# KiCad board iMX6_BareBones.kicad_pcb (continued)
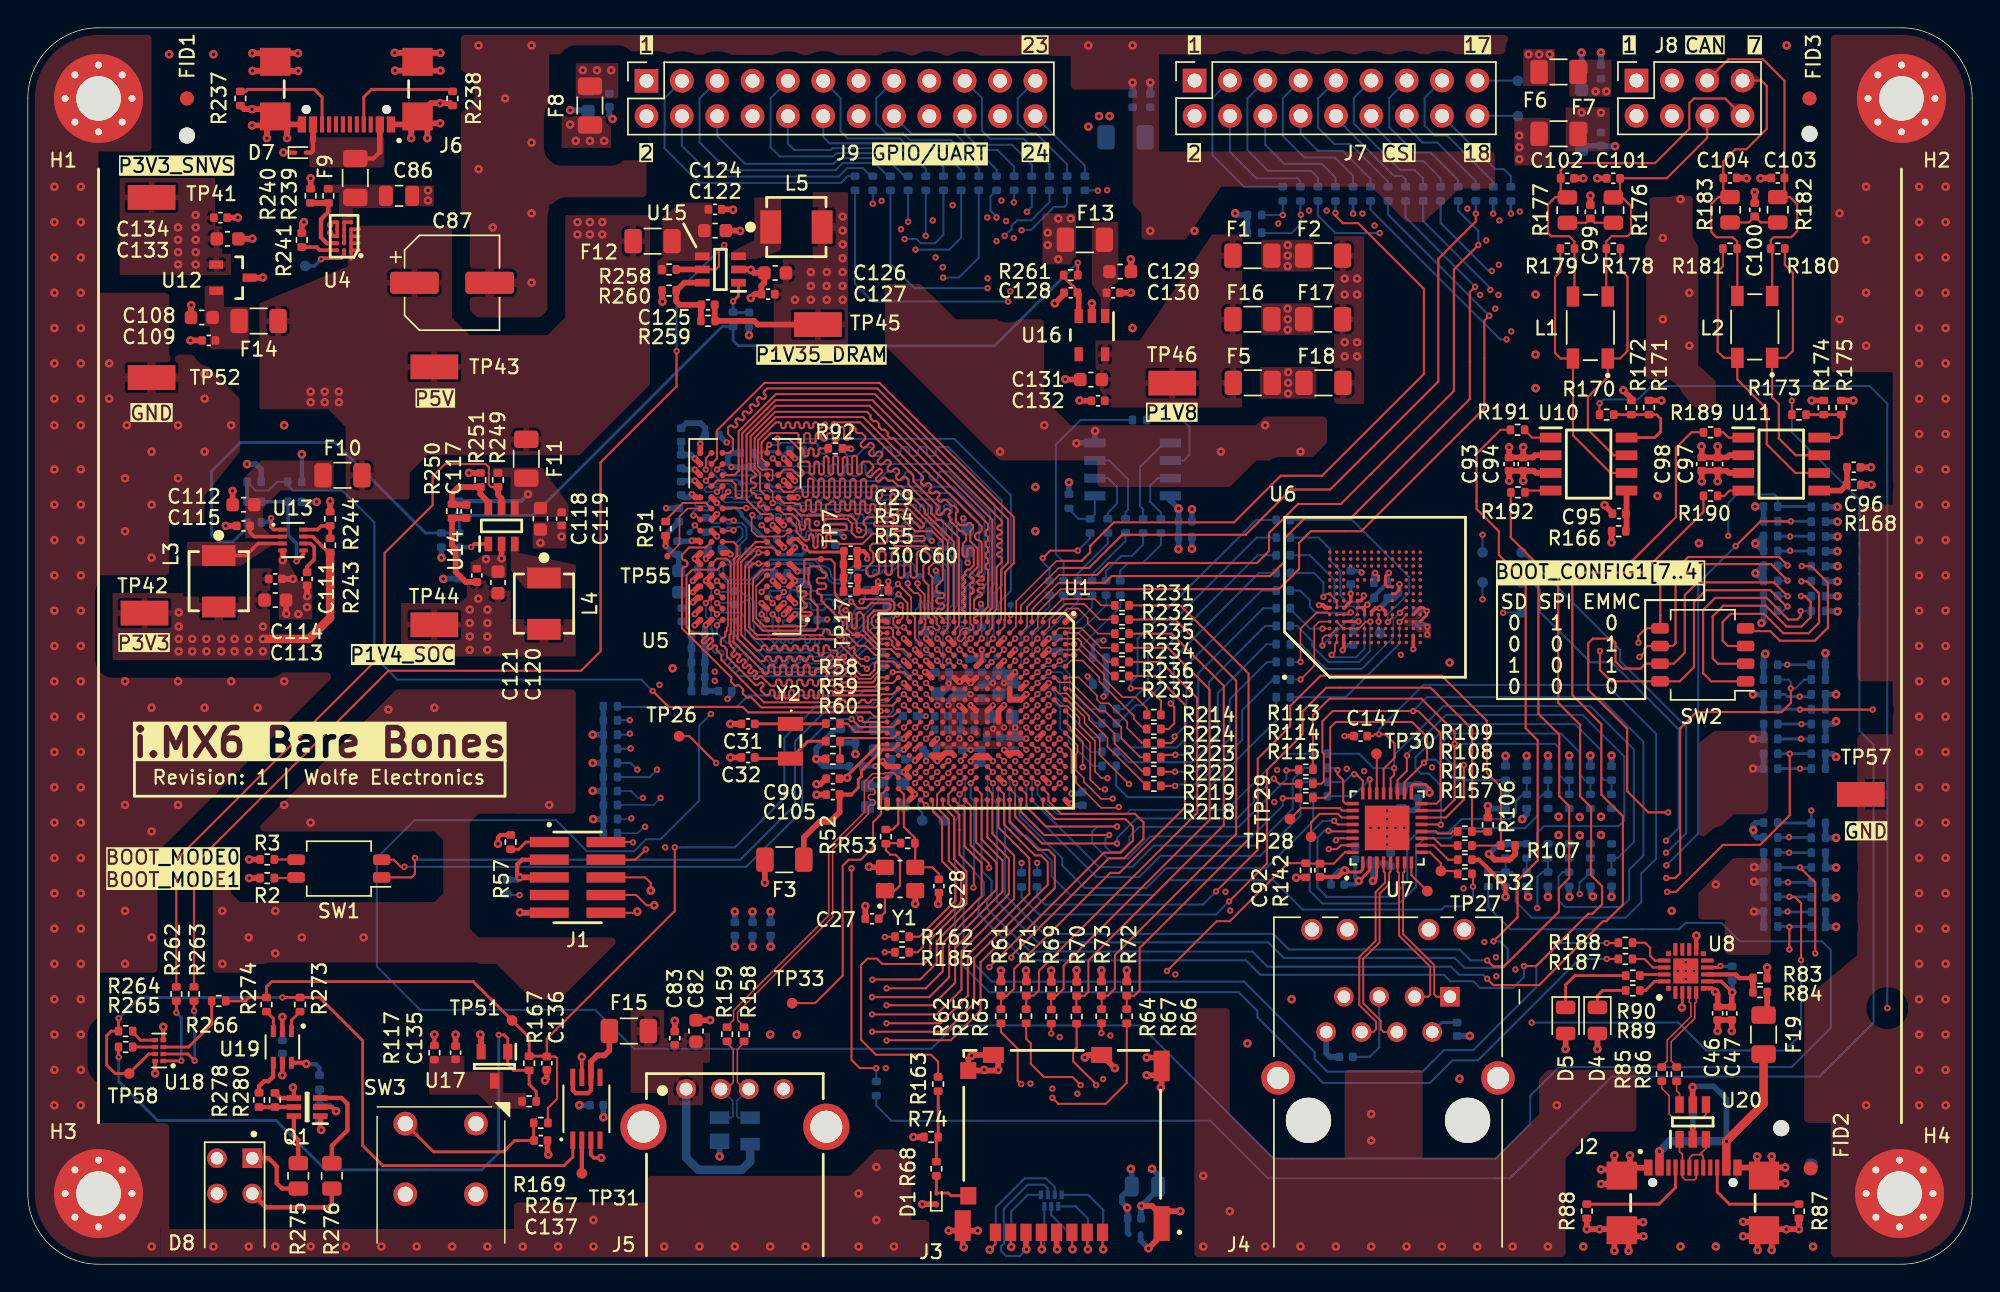
[diagram p0: board, top side]
## Routing (per net, layer and track width the routed paths; a pad name or vN(x,y) marks a point on that pad's centre or on a via; arc(x,y) is an arc through that point) (continued)
  In3.Cu w0.143: v1(76.89,77.19) 76.89,76.73 76.66,76.5 71.81,76.5 70.92,75.62 70.36,75.62 70.03,75.95 67.89,75.95 67.59,75.64 67.59,63.45 67.06,62.92 46.81,62.92 41.86,57.96 41.86,45.08 29.87,33.1 29.87,24.56 33.25,21.18 58.65,21.18 59.39,20.45 v1(60.68,20.45)
  Bottom w0.143: R161.1 76.86,77.22 v1(76.89,77.19)
/Signal_Map/iMX6_GPIO_UART/IMX6_GPIO_4: length 14.5
  Top w0.143: U1.M16 65.33,33.77 65.33,32.82 66.17,31.98 66.17,29.01 67.06,28.12 67.06,26.03 64.31,23.29 64.31,22.81 63.93,22.43 R162.1
/Signal_Map/iMX6_GPIO_UART/IMX6_GPIO_5: length 31.3
  Top w0.143: U1.M17 65.74,32.96 66.55,32.16 66.55,29.13 67.44,28.24 67.44,25.93 64.85,23.34 64.85,22.05 64.39,21.59 61.39,21.59 61.01,21.97 60.32,21.97 59.87,21.51 59.87,16.13 60.93,15.06 64.9,15.06 65.41,14.55 R163.1
/Signal_Map/iMX6_GPIO_UART/IMX6_GPIO_6: length 10.8
  Top w0.143: v1(69.06,28.5) 69.06,28.8 67.74,30.12 67.74,32.99 U1.K17
  In3.Cu w0.143: v1(69.06,28.5) 69.82,27.74 71.91,27.74 72.52,28.35 v1(72.52,28.85)
  Bottom w0.143: R164.1 v1(72.52,28.85)
/Signal_Map/iMX6_GPIO_UART/IMX6_GPIO_7: length 14.5
  Top w0.143: U1.L16 66.14,33.79 66.14,33.1 66.93,32.31 66.93,29.44 67.97,28.4 67.97,27.1 v1(67.94,27.08)
  In3.Cu w0.143: v1(67.94,27.08) 67.94,28.96 68.43,29.44 70.82,29.44 v1(71.4,28.85)
  Bottom w0.143: R184.1 v1(71.4,28.85)
/Signal_Map/iMX6_GPIO_UART/IMX6_GPIO_8: length 12.4
  Top w0.143: U1.N17 65.02,33.31 65.02,32.56 65.68,31.9 65.68,28.98 66.65,28.02 66.65,26.14 64.06,23.55 R185.1
/Signal_Map/iMX6_GPIO_UART/IMX6_GPIO_9: length 28.4
  Top w0.143: v1(59.18,28.47) 59.18,14.68 59.77,14.1 v1(60.96,14.1) ; U1.M15 v1(65.34,34.59)
  In3.Cu w0.143: v1(65.34,34.59) 65.79,34.14 65.79,32.23 64.87,31.32 63.8,31.32 61.8,29.31 59.39,29.31 59.18,29.11 v1(59.18,28.47)
  Bottom w0.143: v1(60.96,14.1) R186.1
/Signal_Map/iMX6_GPIO_UART/IMX6_UART1_RX_DATA: length 67.8
  Top w0.114: U1.K16 v1(66.94,33.79)
  Top w0.152: v1(113.44,21.95) R187.2
  Bottom w0.114: 66.83,32.94 66.83,33.12 66.94,33.24 v1(66.94,33.79)
  Bottom w0.152: 66.83,32.94 66.83,32.11 66.62,31.9 66.62,22.02 69.09,19.56 87,19.56 88.34,18.21 88.34,17.75 93.07,13.03 100.74,13.03 102.36,14.66 104.19,14.66 111.48,21.95 v1(113.44,21.95)
/Signal_Map/iMX6_GPIO_UART/IMX6_UART1_TX_DATA: length 69.4
  Top w0.114: U1.K14 v1(66.94,35.39)
  Top w0.152: R188.2 114.25,23.09 v1(113.44,23.09)
  Bottom w0.114: v1(66.94,35.39) 67.34,34.99 67.34,33.12 67.23,33.02 67.23,32.87
  Bottom w0.152: v1(113.44,23.09) 110.06,23.09 108.38,21.41 108.38,19.91 103.86,15.39 101.75,15.39 100.2,13.84 93.37,13.84 92.46,14.76 92.46,15.24 87.38,20.32 69.27,20.32 67.23,22.35 67.23,32.87
/Signal_Map/iMX6_GPIO_UART/IMX6_UART2_RX_DATA: length 138.4
  Top w0.143: U1.J16 68.53,33.8 68.53,30.53 70.03,29.03 70.03,26.8 66.19,22.96 66.19,20.62 64.77,19.2 v1(60.66,19.2)
  In3.Cu w0.143: v1(63.25,74.96) 63.65,74.55 65.35,74.55 66.47,73.43 66.47,64.59 65.81,63.93 46.28,63.93 40.77,58.42 40.77,45.54 28.83,33.6 28.83,24.05 32.69,20.19 57.96,20.19 58.95,19.2 v1(60.66,19.2)
  Bottom w0.143: v1(63.25,74.96) R195.2
/Signal_Map/iMX6_GPIO_UART/IMX6_UART2_TX_DATA: length 138.7
  Top w0.143: v1(61.7,19.84) 64.52,19.84 65.74,21.06 65.74,23.09 69.6,26.95 69.6,28.88 68.14,30.33 U1.J17
  In3.Cu w0.143: v1(61.7,19.84) 59.21,19.84 58.32,20.73 32.97,20.73 29.36,24.33 29.36,33.32 41.33,45.29 41.33,58.24 46.51,63.42 66.14,63.42 67.08,64.36 67.08,74.07 65.56,75.59 60.86,75.59 60.71,75.74 v1(60.71,76.25)
  Bottom w0.143: R196.2 v1(60.71,76.25)
/Signal_Map/iMX6_GPIO_UART/IMX6_UART3_RX_DATA: length 141.4
  Top w0.143: v1(60.66,17.96) 65.3,17.96 67.08,19.74 67.08,22.5 70.87,26.29 70.87,29.39 69.3,30.95 69.3,33.83 U1.H16
  In3.Cu w0.143: v1(64.52,73.94) 64.52,71.2 65.18,70.54 65.18,65.61 64.49,64.92 45.67,64.92 39.67,58.93 39.67,46.1 25.65,32.08 25.65,27.79 27.71,25.73 27.71,23.62 32.21,19.13 57.3,19.13 58.47,17.96 v1(60.66,17.96)
  Bottom w0.143: R197.2 v1(64.52,73.94)
/Signal_Map/iMX6_GPIO_UART/IMX6_UART3_TX_DATA: length 140.1
  Top w0.143: U1.H17 68.94,30.7 70.48,29.16 70.48,26.62 66.62,22.76 66.62,20.24 65,18.62 v1(61.7,18.62)
  In3.Cu w0.143: v1(65.76,70.94) 65.76,65.2 65,64.44 46,64.44 40.26,58.7 40.26,45.92 26.16,31.83 26.16,28.04 28.27,25.93 28.27,23.85 32.44,19.69 57.58,19.69 58.65,18.62 v1(61.7,18.62)
  Bottom w0.143: R198.2 68.33,72.36 66.9,70.94 v1(65.76,70.94)
/Signal_Map/iMX6_GPIO_UART/IMX6_UART4_RX_DATA: length 151.9
  Top w0.143: v1(60.66,16.71) 65.94,16.71 68,18.77 68,22 73.28,27.28 73.28,28.91 72.8,29.39 72.36,29.39 70.13,31.62 70.13,33.8 U1.G16
  In3.Cu w0.143: v1(60.66,16.71) 58.12,16.71 56.72,18.11 50.93,18.11 49.61,16.79 45.9,16.79 44.63,18.06 31.7,18.06 26.57,23.19 26.57,25.25 24.59,27.23 24.59,32.54 38.51,46.46 38.51,50.55 37.62,51.44 37.62,53.19 38.46,54.03 38.46,59.31 46.1,66.95 48.87,66.95 49.83,65.99 63.2,65.99 63.93,66.73 63.93,69.88 62.99,70.82 v1(62.99,73.71)
  Bottom w0.143: v1(62.99,73.71) 63.86,73.71 64.16,73.41 65.18,73.41 65.79,74.02 R199.2
/Signal_Map/iMX6_GPIO_UART/IMX6_UART4_TX_DATA: length 146.4
  Top w0.143: U1.G17 69.74,31.4 71.96,29.18 71.96,26.64 67.54,22.22 67.54,19.3 65.56,17.32 v1(61.7,17.32)
  In3.Cu w0.143: v1(63.78,72.95) 63.78,71.04 64.54,70.28 64.54,65.89 64.11,65.46 49.48,65.46 48.54,66.4 46.33,66.4 39.09,59.16 39.09,46.3 25.12,32.33 25.12,27.51 27.13,25.5 27.13,23.39 31.9,18.62 57.05,18.62 58.34,17.32 v1(61.7,17.32)
  Bottom w0.143: R200.2 67.06,73.81 66.19,72.95 v1(63.78,72.95)
/Signal_Map/iMX6_GPIO_UART/IMX6_UART5_RX_DATA: length 132.1
  Top w0.114: v1(70.14,36.17) 69.74,36.57 U1.G13
  In3.Cu w0.114: v1(70.14,36.17) 69.75,35.78 69.75,33.93
  In3.Cu w0.143: 69.75,33.93 69.75,31.67 66.47,28.4 65.56,28.4 64.49,27.33 64.49,25.43 63.65,24.59 55.55,24.59 54.56,23.6 50.16,23.6 48.31,21.74 33.48,21.74 30.38,24.84 30.38,32.82 42.37,44.81 42.37,57.76 47.04,62.43 67.54,62.43 68.25,63.14 68.25,73.18 69.6,74.52 v1(69.6,75.26)
  Bottom w0.143: v1(69.6,75.26) 69.6,75.31 69.16,75.74 69.16,76.78 R201.2
/Signal_Map/iMX6_GPIO_UART/IMX6_UART5_TX_DATA: length 164.9
  Top w0.143: U1.F17 70.54,31.85 72.59,29.79 73.33,29.79 73.79,29.34 73.79,27.05 68.45,21.72 68.45,18.24 66.32,16.1 61.72,16.1 v1(61.7,16.08)
  In3.Cu w0.143: v1(61.7,16.08) 57.91,16.08 56.39,17.6 51.18,17.6 49.86,16.28 45.62,16.28 44.37,17.53 31.45,17.53 26.03,22.94 26.03,25.02 24.03,27.03 24.03,32.77 37.9,46.63 37.9,49.56 35.84,51.61 35.84,53.11 37.82,55.09 37.82,59.51 46.02,67.72 53.42,67.72 54.56,66.57 62.51,66.57 63.22,67.28 63.22,69.52 62.46,70.28 62.46,72.8 59.87,75.39 59.87,76.56 61.77,78.46 68.73,78.46 v1(70.84,76.35)
  Bottom w0.143: v1(70.84,76.35) 70.87,76.38 R202.2
/Signal_Map/iMX6_GPIO_UART/~{IMX6_UART1_CTS}: length 134
  Top w0.143: U1.K15 v1(66.94,34.59)
  In3.Cu w0.143: v1(70.43,69.22) 70.76,68.88 70.76,62.66 69.04,60.93 47.85,60.93 44.12,57.2 44.12,44.17 32.03,32.08 32.03,25.5 34.29,23.24 47.37,23.24 50.09,25.96 54.43,25.96 55.35,26.87 61.54,26.87 64.54,29.87 65.53,29.87 67.39,31.72 67.39,34.14 66.94,34.58 v1(66.94,34.59)
  Bottom w0.143: v1(70.43,69.22) 60.71,69.22 59.44,70.48 R193.2
/Signal_Map/iMX6_GPIO_UART/~{IMX6_UART1_RTS}: length 134.1
  Top w0.143: U1.J14 v1(67.74,35.39)
  In3.Cu w0.143: v1(67.74,35.39) 68.5,35.39 68.71,35.18 68.71,31.47 66.12,28.88 65.1,28.88 61.29,25.07 55.09,25.07 54.25,24.23 49.91,24.23 47.93,22.25 33.73,22.25 30.91,25.07 30.91,32.54 42.98,44.6 42.98,57.56 47.37,61.95 68.02,61.95 68.96,62.89 v1(68.96,70.18)
  Bottom w0.143: R194.2 61.98,71.91 63.7,70.18 v1(68.96,70.18)
/Signal_Map/iMX6_GPIO_UART/~{SD_PRESN}: length 5.1
  Top w0.203: R163.2 65.41,12.44 R74.1 65.28,9.02 R68.2
/Signal_Map/iMX6_Power/NVCC_PLL: length 1.3
  Top w0.406: U1.P13 63.77,36.22 63.75,36.22 v1(63.75,36.21)
  Bottom w0.406: v1(63.75,36.21) 63.72,36.19 63.72,36.19 63.6,36.31 C20.1
/Signal_Map/iMX6_Storage/IMX6_NAND_ALE: length 9.2
  Top w0.114: R214.1 80.39,39.98 79.6,40.77 78.66,40.77 77.34,42.09 77.34,42.39 75.55,44.19 74.14,44.19 U1.B4
/Signal_Map/iMX6_Storage/IMX6_NAND_CLE: length 6.3
  Top w0.114: U1.A4 75.15,43.79 v1(75.17,43.8)
  Bottom w0.114: v1(75.17,43.8) 75.17,43.92 78.49,47.24 R227.1
/Signal_Map/iMX6_Storage/IMX6_NAND_DATA00: length 8.2
  Top w0.114: U1.D7 v1(72.54,41.79)
  Bottom w0.114: v1(72.54,41.79) 72.94,42.18 73.97,42.18 74.14,42.01 74.14,41 75.23,39.9 75.23,39.12 76.48,37.87 77.19,37.87
/Signal_Map/iMX6_Storage/IMX6_NAND_DATA01: length 10.1
  Top w0.114: 80.39,34.39 77.57,37.21 77.57,37.85 76.25,39.17 76.25,39.42 74.63,41.04 74.09,41.04 U1.B7
/Signal_Map/iMX6_Storage/IMX6_NAND_DATA02: length 8.7
  Top w0.114: U1.A7 74.84,41.39 78.08,38.15 78.08,37.44 80.09,35.43 80.39,35.43
/Signal_Map/iMX6_Storage/IMX6_NAND_DATA03: length 7.4
  Top w0.114: v1(72.54,42.57) 72.16,42.19 U1.D6
  Bottom w0.114: v1(72.54,42.57) 72.97,43 74.27,43 74.85,42.42 74.85,41.25 76.2,39.9 77.22,39.9
/Signal_Map/iMX6_Storage/IMX6_NAND_DATA04: length 6.6
  Top w0.114: v1(73.34,42.57) 72.96,42.19 U1.C6
  Bottom w0.114: 76.75,38.9 R221.1 ; 76.76,38.89 74.5,41.15 74.5,42.29 74.22,42.57 v1(73.34,42.57)
/Signal_Map/iMX6_Storage/IMX6_NAND_DATA05: length 9.5
  Top w0.114: R222.1 79.93,36.45 78.56,37.82 78.56,38.61 77.39,39.78 76.99,39.78 74.9,41.86 74.89,41.84 74.09,41.84 U1.B6
/Signal_Map/iMX6_Storage/IMX6_NAND_DATA06: length 8.2
  Top w0.114: R223.1 80.06,37.47 78.99,38.53 78.99,38.99 77.66,40.33 77.09,40.33 76.8,40.61 76.8,40.9 75.52,42.19 U1.A6
/Signal_Map/iMX6_Storage/IMX6_NAND_DATA07: length 8.4
  Top w0.114: R224.1 80.19,38.48 79.48,39.19 79.48,39.42 76.99,41.91 76.99,42.19 75.77,43.41 74.96,43.41 U1.A5
/Signal_Map/iMX6_Storage/IMX6_NAND_DQS: length 7.1
  Top w0.114: v1(71.74,42.57) 71.36,42.19 U1.E6
  Bottom w0.114: v1(71.74,42.57) 71.35,42.96 71.35,45.24 73.41,47.29 R230.1
/Signal_Map/iMX6_Storage/QSPI_IO0_R: length 5
  Bottom w0.143: R81.1 80.14,51.74 79.32,50.93 78.56,50.93 77.47,49.83 R229.2
/Signal_Map/iMX6_Storage/QSPI_IO1_R: length 4.3
  Bottom w0.143: R77.2 77.6,51.82 75.44,49.66 R225.2
/Signal_Map/iMX6_Storage/QSPI_IO2_R: length 4.4
  Bottom w0.143: R78.2 78.87,51.99 76.45,49.58 R226.2
/Signal_Map/iMX6_Storage/QSPI_IO3_R: length 5.3
  Bottom w0.143: R79.1 81.41,51.71 80.09,50.39 79.02,50.39 78.49,49.86 R227.2
/Signal_Map/iMX6_Storage/QSPI_SCK_R: length 16.3
  Bottom w0.143: R228.2 74.42,50.5 73.86,51.05 73.86,58.93 75.64,60.71 R80.1
/Signal_Map/iMX6_Storage/SD1_CLK: length 6.2
  Top w0.114: R231.1 77.11,47.37 76.66,47.83 74.32,47.83 72.94,46.45 U1.C1
/Signal_Map/iMX6_Storage/SD1_CLK_R: length 38.7
  Top w0.143: R66.2 R72.1 79.5,19.3 79.88,19.69 79.88,22.73 87.71,30.56 87.71,42.47 82.8,47.37 R231.2
/Signal_Map/iMX6_Storage/SD1_CMD: length 6.8
  Top w0.114: R232.1 77.01,46.36 75.9,47.47 74.55,47.47 74.32,47.24 74.31,47.24 73.4,46.33 73.4,45.84 U1.C2
/Signal_Map/iMX6_Storage/SD1_CMD_R: length 37.4
  Top w0.143: R232.2 82.42,46.36 86.82,41.96 86.82,30.94 78.1,22.22 78.1,19.81 77.6,19.3 77.15,19.3 77.15,18.35
  Top w0.152: 77.15,18.35 77.14,18.34
/Signal_Map/iMX6_Storage/SD1_DATA0: length 5.7
  Top w0.114: U1.B3 74.13,44.98 75.44,44.98 75.67,44.75 75.67,44.58 77.95,42.29 R233.1
/Signal_Map/iMX6_Storage/SD1_DATA0_R: length 32.9
  Top w0.143: R62.2 R61.1 70.36,19.3 70.87,19.81 70.87,21.23 77.77,28.14 78.44,28.14 83.13,32.84 83.13,40.23 81.08,42.29 R233.2
/Signal_Map/iMX6_Storage/SD1_DATA1: length 5.1
  Top w0.114: U1.B2 74.09,45.73 75.71,45.73 77.11,44.32 R234.1
/Signal_Map/iMX6_Storage/SD1_DATA1_R: length 35
  Top w0.143: 73.53,18.35 73.53,19.3 73.91,19.3 74.42,19.81 74.42,21.46 84.91,31.95 84.91,41.33 81.91,44.32 R234.2
  Top w0.152: 73.53,18.35 73.52,18.34
/Signal_Map/iMX6_Storage/SD1_DATA2: length 5.7
  Top w0.114: U1.B1 74.7,47.14 75.46,47.14 76.15,46.46 76.15,46.08 76.89,45.34 R235.1
/Signal_Map/iMX6_Storage/SD1_DATA2_R: length 36.3
  Top w0.143: 75.34,18.35 75.34,19.3 75.92,19.3 76.2,19.58 76.2,21.84 85.93,31.57 85.93,41.58 82.17,45.34 R235.2
  Top w0.152: 75.34,18.35 75.35,18.34
/Signal_Map/iMX6_Storage/SD1_DATA3: length 4.4
  Top w0.114: U1.A2 75.49,45.39 77.57,43.31 R236.1
/Signal_Map/iMX6_Storage/SD1_DATA3_R: length 33.5
  Top w0.143: R236.2 81.41,43.31 84.02,40.69 84.02,32.46 72.64,21.08 72.64,19.69 72.26,19.3 72.01,19.3 ; R71.1 71.74,18.35
  Top w0.152: 71.74,18.35 R65.2
/Signal_Map/iMX6_Storage/~{IMX6_NAND_CE0}: length 6.5
  Top w0.114: U1.C5 v1(73.34,43.39)
  Bottom w0.114: v1(73.34,43.39) 72.95,43.78 72.95,45.15 75.44,47.63 R225.1
/Signal_Map/iMX6_Storage/~{IMX6_NAND_CE1}: length 6.5
  Top w0.114: U1.B5 v1(74.14,43.39)
  Bottom w0.114: R226.1 76.45,47.19 74.7,45.44 74.7,43.54 74.55,43.39 v1(74.14,43.39)
/Signal_Map/iMX6_Storage/~{IMX6_NAND_READY}: length 5.1
  Top w0.114: U1.A3 75.16,44.59 v1(75.17,44.59)
  Bottom w0.114: v1(75.17,44.59) 75.17,45.07 77.47,47.37 R229.1
/Signal_Map/iMX6_Storage/~{IMX6_NAND_RE}: length 8.2
  Top w0.114: U1.D8 v1(72.54,40.99)
  Bottom w0.114: v1(72.54,40.99) 72.95,41.4 73.48,41.4 73.84,41.04 73.84,40.79 74.7,39.93 74.7,38.53 76.4,36.83 77.19,36.83
/Signal_Map/iMX6_Storage/~{IMX6_NAND_WE}: length 7.7
  Top w0.114: U1.C8 v1(73.34,40.99)
  Bottom w0.114: 77.19,35.81 76.56,35.81 74.78,37.59 74.78,37.9 74.17,38.51 74.17,40 73.34,40.83 v1(73.34,40.99)
/Signal_Map/iMX6_Storage/~{IMX6_NAND_WP}: length 6.4
  Top w0.114: U1.D5 v1(72.54,43.39)
  Bottom w0.114: v1(72.54,43.39) 72.15,43.78 72.15,45.18 74.42,47.45 R228.1
/Signal_Map/iMX6_Storage/~{QSPI_CS_R}: length 6.2
  Top w0.143: v1(72.92,50.77) 73.46,51.31 v1(75.44,51.31)
  Bottom w0.143: v1(72.92,50.77) 72.92,50.5 73.41,50.01 R230.2 ; R76.2 76.33,52.2 v1(75.44,51.31)
/Signal_Map/Power2/AND_PG_R: length 1.9
  Top w0.203: U18.5 8.09,16.11 7.54,16.67 R264.2
/Signal_Map/Power2/PGD_BUF: length 2.7
  Top w0.305: v2(20.02,14.4) 19.93,14.49 U19.6
  Bottom w0.305: v2(20.02,14.4) 20.04,14.38 20.7,14.38 20.95,14.12 R277.1
/Signal_Map/Power2/SUP_RESET: length 48.2
  Top w0.203: v1(33.83,16.48) 34.21,16.48 34.49,16.21 U17.1 34.49,14.36 34.9,13.94 R167.2 36.02,12.93 36.53,12.42 R169.2 ; v1(6.53,14.88) 6.52,14.9 R265.1
  Bottom w0.203: v1(6.53,14.88) 6.53,13.13 9.32,10.34 17.83,10.34 21.39,6.78 32.61,6.78 33.83,8 v1(33.83,16.48)
/Signal_Map/Power2/~{IMX6_POR_R}: length 5.8
  Top w0.203: U18.3 11.55,15.61 13.21,17.27 R266.1
/Signal_Map/Power2/~{IMX6_POR}: length 76.9
  Top w0.152: R267.2 37.37,11.23 38.02,11.89 38.02,14.81 37.9,14.93 C136.2 37.29,16.21 46.48,25.4 v1(46.48,29.97) ; U1.P8 v1(63.74,40.99)
  Top w0.203: C136.2 37.26,14.96 R167.1 36.02,16.31 TP51.1 32,20.32 17.53,20.32 17.14,19.94 R274.2 15.88,19.18 15.62,18.92 R266.2
  Bottom w0.114: v1(63.74,40.99) 63.35,41.38 62.71,41.38 61.72,40.39 60.83,40.39 60.71,40.26
  Bottom w0.152: v1(46.48,29.97) 50.8,29.97 54.36,33.53 54.36,37.85 56.64,40.13 60.58,40.13 60.71,40.26
/Signal_Map/Power2/~{POR_BUF}: length 2.8
  Top w0.305: 16.61,12.32 16.61,12.8 16.97,13.16 17.3,13.16 17.63,13.49 17.63,14.48 U19.4
/Signal_Map/Power2/~{SUP_RESET_R}: length 1.6
  Top w0.203: U18.6 7.54,15.61 R265.2
/Signal_Map/Power/PMIC_ON_REQ: length 61.7
  Top w0.114: 60.53,39.67 60.82,39.38 62.13,39.38 U1.T9
  Top w0.152: v1(44.89,41.21) 46.04,40.07 51.37,40.07 51.77,39.67 60.53,39.67
  Bottom w0.114: 18.67,56.01 R246.1
  Bottom w0.152: R246.1 17.91,56.26 17.27,55.63 16.38,55.63 R247.2 ; v1(44.89,41.21) 44.07,42.04 26.54,42.04 24.89,43.69 24.89,53.34 22.61,55.63 19.05,55.63 18.67,56.01
  Bottom w0.254: R247.2 R245.2
/Signal_Map/Power/USB_PWR_CC1: length 8.6
  Top w0.203: R238.2 30.37,84.47 24.69,84.47 24.14,83.92 J6.A5
/Signal_Map/Power/USB_PWR_CC2: length 8.1
  Top w0.203: J6.B5 21.14,83.91 20.58,84.47 15.8,84.47 15.66,84.33 R237.2
/Signal_Map/Power/~{VBUS_EN}: length 2.6
  Top w0.254: R241.2 20.74,73.13 20.96,72.91 U4.A3
/Signal_Map/uSD_QSPI/QSPI_IO0: length 6.7
  Bottom w0.143: R81.2 80.14,54.28 79.91,54.51 79.91,57.31 81.65,59.06
  Bottom w0.152: U3.5 81.65,59.06
/Signal_Map/uSD_QSPI/QSPI_IO1: length 4.4
  Bottom w0.143: U3.2 77.62,56.52 78.26,55.88 78.26,54.69 77.6,54.03
  Bottom w0.152: 77.6,54.03 R77.1
/Signal_Map/uSD_QSPI/QSPI_IO2: length 5.9
  Bottom w0.143: 76.66,57.78 77.7,57.78 79.04,56.44 79.04,54.25 78.87,54.08 R78.1
/Signal_Map/uSD_QSPI/QSPI_IO3: length 4.4
  Bottom w0.143: U3.7 81.18,56.52 80.64,55.98 80.64,54.81 81.41,54.05 R79.2
/Signal_Map/uSD_QSPI/QSPI_SCK: length 6.8
  Bottom w0.143: R80.2 82.96,60.71 83.46,60.2 83.46,58.19 83.06,57.78 82.09,57.78
/Signal_Map/uSD_QSPI/uSD_CLK: length 26.3
  Top w0.143: v1(73.61,11.96) 74.04,11.53 77.44,11.53 78.96,13.05 R66.1
  Top w0.152: v2(72.85,1.07) 72.82,1.11 J3.P5
  In3.Cu w0.152: v1(73.61,11.96) 73.18,11.96 72.85,11.64 v2(72.85,1.07)
  Bottom w0.152: v2(72.85,1.07) 73.03,1.25 U2.7
/Signal_Map/uSD_QSPI/uSD_CMD: length 23
  Top w0.152: 77.14,17.32 77.14,16.62 77.16,16.61 ; v2(75.06,1.07) 75.02,1.11 J3.P3
  In3.Cu w0.152: v1(77.14,16.61) 77.14,16.28 76.89,16.03 75.82,16.03 74.7,14.91 74.7,1.43 v2(75.06,1.07)
  Bottom w0.152: v2(75.06,1.07) 75.06,2 73.53,3.53 U2.6
/Signal_Map/uSD_QSPI/uSD_DAT0: length 23.2
  Top w0.143: v1(71.37,12.95) 71.12,13.21 71.12,15.49 69.92,16.7 R62.1
  Top w0.152: v2(70.65,1.24) 70.62,1.28 J3.P7
  In3.Cu w0.152: v2(70.65,1.24) 70.65,1.25 70.65,12.23 v1(71.37,12.95)
  Bottom w0.152: U2.1 71.84,4.99 70.65,3.8 70.65,1.25 v2(70.65,1.24)
/Signal_Map/uSD_QSPI/uSD_DAT1: length 28.6
  Top w0.143: v1(73.53,16.59) R63.1
  Top w0.152: J3.P8 69.52,1.44 v2(69.11,1.04)
  In3.Cu w0.152: v2(69.11,1.04) 69.55,1.47 69.55,12.6 v1(73.53,16.59)
  Bottom w0.152: U2.3 73.78,5.54 73.15,6.17 71.63,6.17 69.55,4.09 69.55,1.47 v2(69.11,1.04)
/Signal_Map/uSD_QSPI/uSD_DAT2: length 24.7
  Top w0.143: R64.1 75.36,15.57 75.11,15.32 75.11,14.58 76.76,12.93
  Top w0.152: J3.P1 77.22,1.12 v2(77.27,1.07) ; v1(76.76,12.88) 76.76,12.93
  In3.Cu w0.152: v1(76.76,12.88) 77.27,12.37 v2(77.27,1.07)
  Bottom w0.152: v2(77.27,1.07) 77.27,3.91 76.19,4.99 U2.4
/Signal_Map/uSD_QSPI/uSD_DAT3: length 25.3
  Top w0.143: R65.1 71.73,16.21 72.06,15.88 72.06,14.4 73,13.46 75.06,13.46 v1(75.64,12.88)
  Top w0.152: J3.P2 76.12,1.11 v2(76.16,1.07)
  In3.Cu w0.152: v2(76.16,1.07) 76.07,1.16 76.07,12.45 v1(75.64,12.88)
  Bottom w0.152: v2(76.16,1.07) 76.16,3.29 75.29,4.16 U2.5
/Signal_Map/uSD_QSPI/uSD_SWITCH: length 3.6
  Top w0.203: J3.SW 66.33,4.92 66.13,5.12 D1.2 R68.1
/Signal_Map/uSD_QSPI/~{QSPI_CS}: length 3.7
  Bottom w0.143: 74.8,54.28 75.49,53.6 R76.1 76.66,53.93 U3.1
  Bottom w0.152: R75.1 74.8,54.28
CAN1_VIO: length 2.9
  Top w0.406: R166.2 114.87,52.76 U10.5
CAN2_VIO: length 3.4
  Top w0.406: U11.5 130.25,55.63 130.66,56.03 130.68,56.03 130.71,56.06 C96.1
DRAM_VREF: length 21.7
  Top w0.203: 55.84,51.6 v1(55.84,51.54) 56.17,51.21 58.57,51.21 C29.2
  Top w0.254: U5.H1 54.93,52.15 55.28,52.15 55.84,51.6
  Top w0.406: U1.P4 v1(63.74,44.19) ; U5.M8 v1(49.52,54.74) ; C29.2 58.61,51.24 C30.1
  In3.Cu w0.406: v1(45.86,54.36) 47.03,54.36 47.27,54.6 49.38,54.6 v1(49.52,54.74)
  Bottom w0.143: 58.02,51.67 C48.2 58.02,51.63
  Bottom w0.254: v1(49.52,54.74) 49.84,54.41 50.84,54.41 51.29,53.96 51.29,53.83 53.14,51.98 53.14,51.93 54.06,51.01 55.61,51.01 55.84,51.24 v1(55.84,51.54)
  Bottom w0.406: C49.2 46.78,54.36 v1(45.86,54.36) ; 55.84,51.5 v1(55.84,51.54)
NVCC_CSI: length 2.4
  Top w0.406: U1.F4 v1(70.94,44.19)
  Bottom w0.305: C89.2 76.51,44.48 76.88,44.85 v1(77.28,44.85)
  vias: v2(90.53,73.28) v2(90.53,72.52) v2(90.53,71.75)
NVCC_NAND: length 1.3
  Top w0.406: U1.E7 v1(71.74,41.79)
  Bottom w0.406: v1(76.15,42.27) 76.53,41.88 C45.2
  vias: v2(90.53,68.71) v2(90.53,67.94) v2(90.53,67.18)
Net-(C99-Pad1): length 3.6
  Top w0.152: 113.92,74.88 112.57,74.88 C99.1 111.96,74.88 110.62,74.88
Net-(C100-Pad1): length 3.8
  Top w0.152: R182.1 124.51,74.91 C100.1 123.65,74.91 R183.2
Net-(D8-K1): length 4.9
  Top w0.305: D8.1 17.3,7.62 17.88,7.04 17.88,5.82 18.26,5.44 R275.1
Net-(D8-K2): length 7.3
  Top w0.305: R276.1 21.84,4.34 21.59,4.09 17.12,4.09 D8.3
Net-(J1-Pad01): length 3
  Top w0.203: 37.46,30.35 35.79,30.35 35.28,29.84 34.69,29.84
Net-(Q1A-B1): length 3.8
  Top w0.305: Q1.2 21.84,11.3 v2(22.15,11)
  Bottom w0.305: R277.2 R279.1 21.71,11.43 v2(22.15,11)
Net-(Q1A-C1): length 3.5
  Top w0.305: Q1.6 19.12,9.26 19.43,8.94 R275.2
Net-(Q1B-B2): length 2.5
  Top w0.305: Q1.5 19.11,11.3 R278.2
Net-(Q1B-C2): length 6.9
  Top w0.305: R276.2 21.84,8.51 22.96,9.63 22.96,11.53 22.54,11.95 Q1.3
Net-(R2-Pad2): length 1.6
  Top w0.152: SW1.4 19.23,27.76 R2.2
Net-(R3-Pad2): length 1.6
  Top w0.152: R3.2 19.26,29.1 SW1.3
Net-(R4-Pad2): length 17.1
  Top w0.152: v1(127.38,46.96) 127.38,46.61 127.13,46.36 126.49,46.36 124.94,47.9 121.23,47.9 120.37,47.04 120.37,42.49 120.95,41.91 123.44,41.91
  Bottom w0.152: v1(127.38,46.96) R4.2
Net-(R5-Pad2): length 16.5
  Top w0.152: v1(127.41,48.03) 127.69,48.03 128.09,47.62 128.09,46.51 127.43,45.85 126.36,45.85 124.87,47.35 121.82,47.35 121.06,46.58 121.06,43.56 121.44,43.18 123.44,43.18
  Bottom w0.152: v1(127.41,48.03) R5.2
Net-(R6-Pad2): length 15.7
  Top w0.152: v1(127.43,49.1) 127.84,49.1 128.7,48.23 128.7,46.13 127.94,45.36 126.14,45.36 124.74,46.76 122.35,46.76 121.77,46.18 121.77,44.83 122.15,44.45 123.44,44.45
  Bottom w0.152: v1(127.43,49.1) R6.2
Net-(R7-Pad2): length 13
  Top w0.152: 123.44,45.72 123.65,45.52 125.2,45.52 125.88,44.83 128.4,44.83 129.34,45.77 129.34,49 128.14,50.19 v1(127.46,50.19)
  Bottom w0.152: v1(127.46,50.19) R7.2 128.09,50.24
Net-(TP48-Pad1): length 4.7
  Top w0.114: U5.J1 54.31,52.32 52.42,52.32 52,52.74 52,53.81 v1(52.05,53.86)
  Bottom w0.114: v1(52.05,53.86) 52.25,53.66 52.48,53.66
Net-(TP53-Pad1): length 1.2
  Top w0.114: U5.J9 v1(47.92,53.14)
  Bottom w0.114: TP53.1 47.92,53 v1(47.92,53.14)
Net-(TP54-Pad1): length 6.7
  Top w0.143: v1(59.72,52.77) 59.54,52.95 59.54,53.4 59.11,53.83 55.53,53.83 55.03,54.34 U5.L1
  Bottom w0.143: TP54.1 60.4,52.77 v1(59.72,52.77)
Net-(TP55-Pad1): length 4.9
  Top w0.114: U5.L9 47.4,54.34 46.82,53.76 46.82,51.78 TP55.1
Net-(TP56-Pad1): length 0.6
  Top w0.203: U5.M7 49.92,55.14 v1(50.32,55.54)
Net-(U1B-DRAM_ADDR15): length 1.1
  Top w0.114: U1.K5 67.27,42.99 66.98,43.28 v3(66.94,43.31)
  Bottom w0.114: 66.63,43.7 66.94,43.39 v3(66.94,43.31)
Net-(U1B-DRAM_CS1_B): length 1
  Top w0.114: U1.H5 v1(69.25,43.29)
  Bottom w0.114: v1(69.25,43.29) 69.25,43.32 TP50.1
Net-(U1B-DRAM_ODT1): length 1.3
  Top w0.114: v1(70.62,46.7) 70.54,46.62 U1.F1
  Bottom w0.114: v1(70.62,46.7) TP47.1
Net-(U1C-CCM_CLK1_N): length 2.8
  Top w0.143: U1.P16 v1(64.54,33.79)
  Bottom w0.152: v1(64.54,33.79) 63.98,33.23 63.98,32.74 64.26,32.46 TP2.1
Net-(U1C-CCM_CLK1_P): length 2.3
  Top w0.143: U1.P17 v1(64.53,33)
  Bottom w0.152: TP1.1 64.7,32.99 64.54,32.99 v1(64.53,33)
Net-(U1C-CCM_PMIC_STBY_REQ): length 18.1
  Top w0.152: v1(49.45,36.04) 47.54,37.96 TP26.1 ; U1.U9 61.29,39.79 v1(61.27,39.77)
  In3.Cu w0.152: v1(49.45,36.04) 49.78,35.71 51,35.71 54.28,38.99 57.89,38.99 58.27,38.61 60.5,38.61 61.27,39.37 v1(61.27,39.77)
Net-(U1J-USB_OTG1_CHD_B): length 19.7
  Top w0.143: U1.U16 61.29,33.74 61.29,32.33 60.73,31.78 60.73,29.97 59.84,29.08 58.98,29.08 58.55,28.65 58.55,20.75 56.57,18.77 TP33.1
Net-(U1K-LCD_CLK): length 80.4
  Top w0.114: U1.A8 74.68,40.59 75.92,39.34 75.92,38.89 77.01,37.8 77.01,36.63 v1(79.12,34.52)
  In3.Cu w0.114: v1(79.12,34.52) 79.2,34.52 80.34,33.38 80.34,33.22 80.42,33.15
  In3.Cu w0.152: v1(117.7,29.59) 117.6,29.59 115.65,31.55 109.37,31.55 109.17,31.34 106.71,31.34 106.3,31.75 102.51,31.75 101.68,30.91 100.91,30.91 99.03,29.03 96.11,29.03 95.33,29.82 95.33,32.05 94.97,32.41 92.23,32.41 91.34,31.52 82.04,31.52 80.42,33.15
  Bottom w0.152: v1(117.7,29.59) 117.75,29.59 119.15,30.99 119.15,38.63 114.4,43.38 114.4,44.17 107.39,51.18 TP35.1
Net-(U1K-LCD_ENABLE): length 80.6
  Top w0.114: v1(77.57,34.95) 77.14,34.95 76.68,35.41 76.68,37.62 75.56,38.73 75.56,39.27 74.7,40.13 74.2,40.13 U1.B8
  In3.Cu w0.114: 80.75,33.4 80.21,33.93 80.21,34.09 79.27,35.03 77.65,35.03 v1(77.57,34.95)
  In3.Cu w0.152: v1(117.7,30.45) 115.14,33.02 106.15,33.02 105.46,32.33 100.1,32.33 99.72,31.95 99.72,30.56 98.7,29.54 96.27,29.54 95.88,29.92 95.88,32.28 95.33,32.84 91.57,32.84 90.83,32.11 82.04,32.11 80.75,33.4
  Bottom w0.152: TP36.1 108.08,49.02 108.64,48.46 108.64,46.91 112.27,43.28 113.79,43.28 118.62,38.46 118.62,31.37 v1(117.7,30.45)
Net-(U1K-LCD_HSYNC): length 38.3
  Top w0.114: U1.D9 v1(72.54,40.19)
  In3.Cu w0.114: 74.02,41.05 73.57,40.6 72.95,40.6 v1(72.54,40.19)
  In3.Cu w0.152: v1(105.99,46.84) 104.19,46.84 100.03,42.67 90.53,42.67 90.35,42.85 75.82,42.85 74.02,41.05
  Bottom w0.152: v1(105.99,46.84) 106.02,46.86 TP37.1
Net-(U1K-LCD_RESET): length 43.4
  Top w0.114: U1.E9 v1(71.74,40.19)
  In3.Cu w0.114: v1(71.74,40.19) 72.13,40.58 72.13,41.12 72.4,41.4 73.56,41.4 73.86,41.71
  In3.Cu w0.152: v1(104.52,52.45) 103.71,52.45 102.34,51.08 102.34,46.15 99.31,43.13 92.56,43.13 91.92,43.77 75.92,43.77 73.86,41.71
  Bottom w0.152: TP38.1 v1(104.52,52.45)
Net-(U1K-LCD_VSYNC): length 42.6
  Top w0.114: U1.C9 v1(73.34,40.19)
  In3.Cu w0.114: 74.57,40.74 74.02,40.19 v1(73.34,40.19)
  In3.Cu w0.152: 74.57,40.74 75.54,41.71 78.23,41.71 78.56,42.04 89.64,42.04 90.32,41.35 102.36,41.35 107.19,46.18 107.19,47.14 106.53,47.8 v1(104.52,47.8)
  Bottom w0.152: TP39.1 v1(104.52,47.8)
